# Altium PCB Power_Card_Lahiru.PcbDoc (part 1 of 2) (continued)
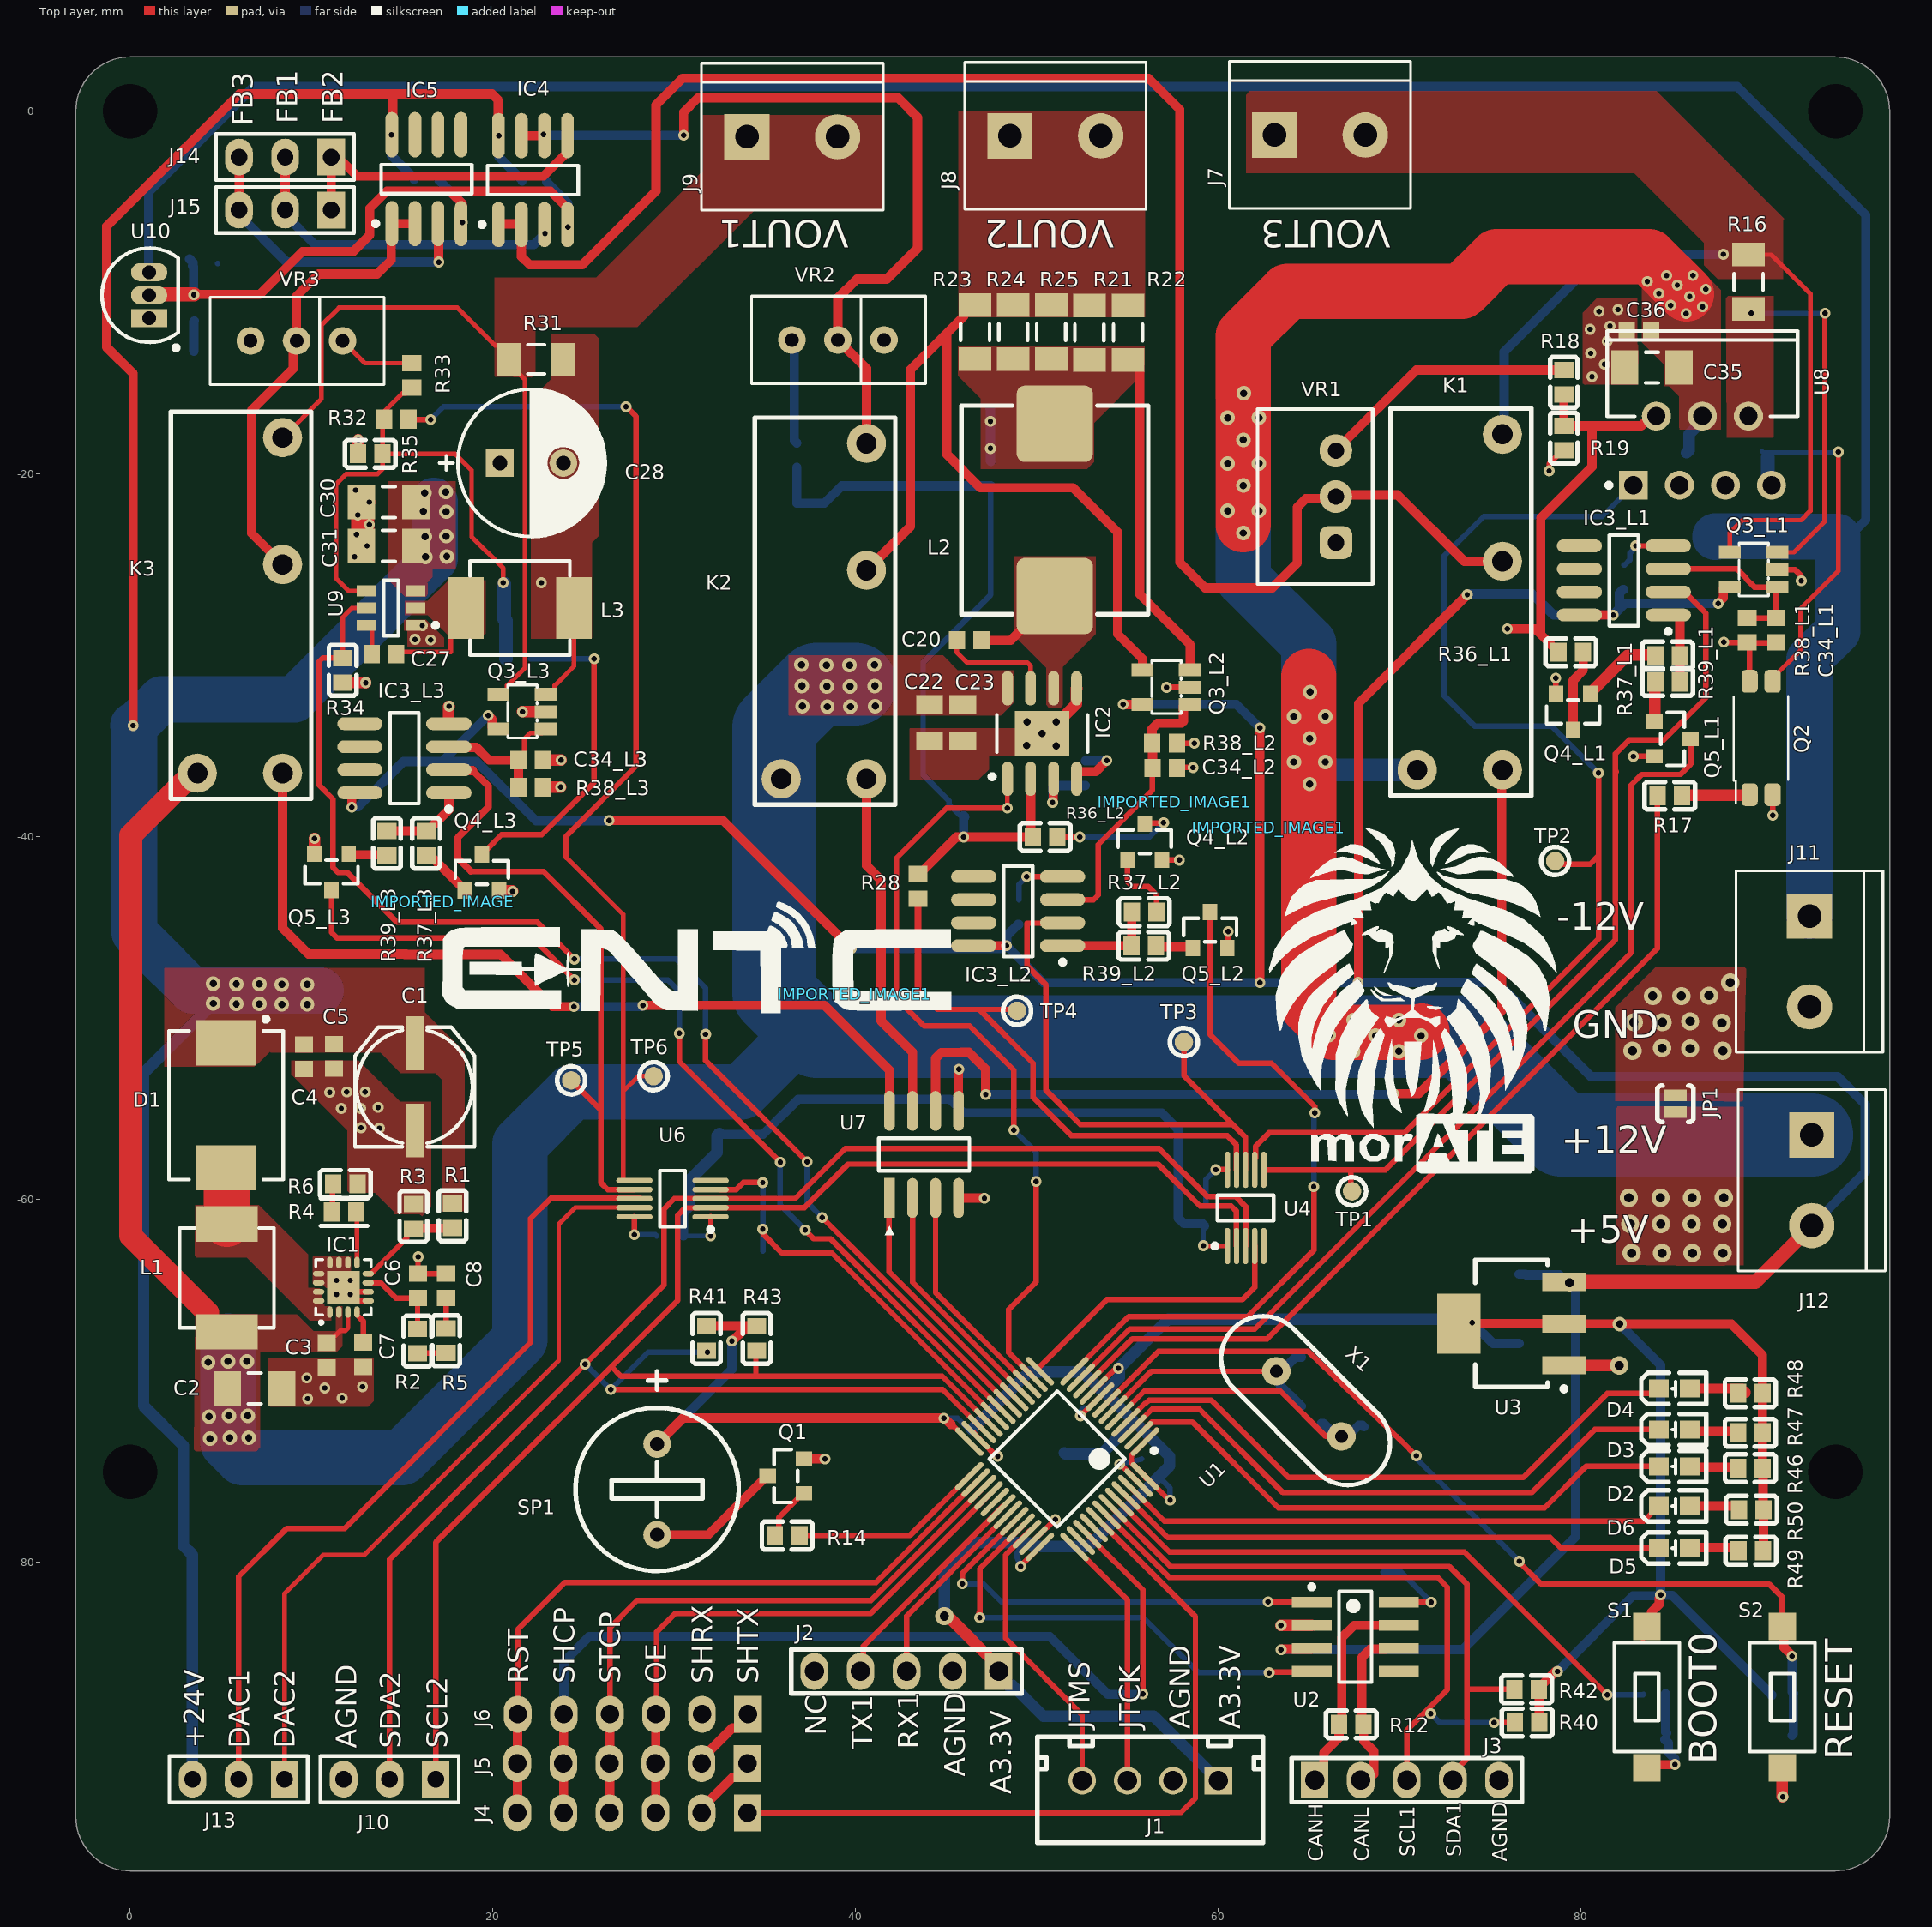
[diagram p0: Top Layer view]
## Components (designator, comment, footprint, x,y, rotation, side; value= is the part's Value field where it differs from the comment) (continued)
R32 "16.2k" PCB-3elf45qdqizoabmczrxc-1 14.681,-16.967 r0 top
R33 "118k" PCB-3elf45qdqizoabmczrxc-1 15.519,-14.554 r270 top
R34 "10k" gen0603-2 11.709,-30.81 r270 top
R35 "4.7k" gen0603-2 13.233,-18.872 r0 top
R36_L1 "100" gen0603-2 79.426,-29.82 r180 top (schematic designator R36)
R36_L2 "100" gen0603-2 50.444,-40.005 r180 top (schematic designator R36)
R36_L3 "100" gen0603-2 21.387,-30.175 r180 bottom (schematic designator R36)
R37_L1 "10k" gen0603-2 84.76,-30.005 r0 top (schematic designator R37)
R37_L2 "10k" gen0603-2 55.905,-44.145 r180 top (schematic designator R37)
R37_L3 "10k" gen0603-2 16.312,-40.349 r90 top (schematic designator R37)
R38_L1 "100k" PCB-3elf45qdqizoabmczrxc-1 89.151,-28.6 r90 top (schematic designator R38)
R38_L2 "100k" PCB-3elf45qdqizoabmczrxc-1 57.023,-34.83 r180 top (schematic designator R38)
R38_L3 "100k" PCB-3elf45qdqizoabmczrxc-1 22.073,-37.255 r180 top (schematic designator R38)
R39_L1 "10k" gen0603-2 84.76,-31.453 r0 top (schematic designator R39)
R39_L2 "10k" gen0603-2 55.88,-45.999 r180 top (schematic designator R39)
R39_L3 "10k" gen0603-2 14.153,-40.349 r90 top (schematic designator R39)
R40 "4.7k" gen0603-2 77.013,-88.824 r0 top
R41 "4.7k" gen0603-2 31.775,-67.64 r90 top
R42 "4.7k" gen0603-2 76.987,-86.995 r0 top
R43 "4.7k" gen0603-2 34.544,-67.64 r90 top
R44 "100" gen0603-2 3.505,-10.82 r270 bottom
R45 "100" gen0603-2 3.505,-13.894 r270 bottom
R46 "10k" gen0603-2 89.317,-74.803 r0 top
R47 "10k" gen0603-2 89.317,-72.85 r0 top
R48 "10k" gen0603-2 89.317,-70.667 r0 top
R49 "10k" gen0603-2 89.357,-79.35 r0 top
R50 "10k" gen0603-2 89.383,-77.089 r0 top
S1 "CMP-3c1bf499dccde3dc-3" PCB-884bonwl6v4pb9lbnr4u-1 83.617,-87.427 r90 top locked
S2 "CMP-3c1bf499dccde3dc-3" PCB-884bonwl6v4pb9lbnr4u-1 91.084,-87.427 r90 top locked
SP1 "Jiangsu Huaneng Elec HNB09A03" PCB-gql0f0yk39bxcwo1gexj-1 29.047,-75.971 r270 top
TP1 "Test Point" PCB-76sf9akqozhr8i1vmz2c-1 67.361,-59.538 r90 top
TP2 "Test Point" PCB-76sf9akqozhr8i1vmz2c-1 78.562,-41.326 r90 top
TP3 "Test Point" PCB-76sf9akqozhr8i1vmz2c-1 58.09,-51.308 r90 top
TP4 "Test Point" PCB-76sf9akqozhr8i1vmz2c-1 48.895,-49.581 r90 top
TP5 "Test Point" PCB-76sf9akqozhr8i1vmz2c-1 24.308,-53.416 r90 top
TP6 "Test Point" PCB-76sf9akqozhr8i1vmz2c-1 28.854,-53.188 r90 top
U1 "STM32F103C8T6TR" STM-LQFP48_M 51.105,-74.295 r225 top locked
U2 "MCP2551-I/SN" PCB-j27wim3vo61mdxz6aows-1 67.539,-84.099 r0 top
U3 "Diodes AZ1117CH-3.3TRG1" PCB-15095235-1 76.149,-66.827 r180 top
U4 "CON-DAC-MCP4728-10" PCB-psrfqusngns6snaz1e8o-1 61.493,-60.452 r90 top
U5 "LM4040B50FTA" PCB-bxhnyzncanvi69437o7v-1 29.87,-58.2 r90 bottom
U6 "CON-DAC-MCP4728-10" PCB-psrfqusngns6snaz1e8o-1 29.896,-59.944 r180 top
U7 "Mixic ULN2001D" PCB-pxs93rufbf6wijgtyo7d-1 43.764,-57.506 r90 top
U8 "OPA548T" TI-KVT7 86.682,-18.701 r90 top locked
U9 "TPS54202DDCR" PCB-3e3nvufahczdahdcyxrk-1 14.376,-27.381 r180 top
U10 "LM337L" Z03A 1.041,-10.135 r0 top
VR1 "500" PCB-8uuv2uwn1geg2g5qqyha-1 66.472,-21.234 r90 top
VR2 "2k" PCB-5abvnr99iwiiosfurk6j-1 41.554,-12.598 r180 top
VR3 "2k" PCB-5abvnr99iwiiosfurk6j-1 11.709,-12.649 r180 top
X1 "8MHz" XTAL1 63.195,-69.461 r315 top

## Footprints (in the part's own frame and the unit in brackets; to place one, negate y for a bottom-side part, rotate by r counter-clockwise, add the part's x,y. Pads: shape width x height; smd on the part's side, far side on the other; paste and mask are expansions set on the pad)
C0805 [mil]
  rect 40x58 smd: 1(-40,0) 2(40,0)
  body extent -41,-27 41,27, height 53
CAPC1608X09N [mm]
  rect 0.9x1 smd: 1(-0.675,0) 2(0.675,0)
  body extent -0.8,-0.4 0.8,0.4, height 0.45
CAPC3216X127X50ML20T25 [mm]
  rect 1.5x1.9 smd: 1(-1.5,0) 2(1.5,0)
  silkscreen extent -0.35,-0.85 0.35,0.85, body extent -1.7,-0.9 1.7,0.9, height 1.27
gen0603-2 [mm]
  rect 0.9x1.05 smd: 1(-0.675,0) 2(0.675,0)
  silkscreen extent -1.4,-0.76 1.4,0.76, body extent -0.85,-0.4 0.85,0.4, height 0.59
IMPORTED_IMAGE [mm]
  silkscreen extent 0,-6.12 28.04,0
PCB-3e3nvufahczdahdcyxrk-1 [mm]
  rect 1.1x0.6 smd mask+0.07: 1(-1.35,0.95) 2(-1.35,0) 3(-1.35,-0.95) 4(1.35,-0.95) 5(1.35,0) 6(1.35,0.95)
  silkscreen extent -2.58,-1.53 0.4,1.53, body extent -1.4,-1.45 1.4,1.45, height 1.45
PCB-3ELF45QDQIZOABMCZRXC-1 [mm]
  rect 0.9x1.05 smd: 1(-0.675,0) 2(0.675,0)
  silkscreen extent -1.27,-0.76 1.27,0.76, body extent -0.85,-0.4 0.85,0.4, height 0.59
PCB-3elf45qdqizoabmczrxc-1 [mm]
  rect 0.9x1.05 smd: 1(-0.675,0) 2(0.675,0)
  body extent -0.85,-0.4 0.85,0.4, height 0.59
PCB-5abvnr99iwiiosfurk6j-1 [mil]
  round 60 hole 29.53: 1(0,0) 2(100,0) 3(200,0)
  silkscreen extent -90,-95 287,95, body extent -87,-95 287,95, height 436
PCB-8uuv2uwn1geg2g5qqyha-1 [mm]
  rrect50% 1.8x1.8 hole 0.9: 1(-2.54,0)
  round 1.8 hole 0.9: 2(0,0) 3(2.54,0)
  silkscreen extent -4.83,-2.03 4.83,4.32, body extent -4.76,-1.9 4.76,4.19, height 11.56
PCB-76sf9akqozhr8i1vmz2c-1 [mil]
  round 40 smd: 1(0,0)
  silkscreen extent -30,-31 30,30
PCB-884bonwl6v4pb9lbnr4u-1 [mm]
  rect 1.5x1.5 smd: 1(-3.9,0) 2(3.9,0)
  silkscreen extent -3,-1.8 3,1.8, body extent -4,-1.75 4,1.75, height 4.29
PCB-15095235-1 [mm]
  rect 2.4x1 smd: 1(-2.9,2.3) 2(-2.9,0) 3(-2.9,-2.3)
  rect 2.4x3.3 smd: 4(2.9,0)
  silkscreen extent -3.03,-3.5 2,3.72, body extent -1.86,-3.35 1.86,3.35, height 1.8
PCB-aqghgth2fl3irtnr7nhi-1 [mm]
  rect 1.95x3.4 smd: 1(-2.975,0) 2(2.975,0)
  silkscreen extent -2.75,-2.6 2.75,2.6, body extent -2.74,-2.59 2.75,2.59, height 2
PCB-bxhnyzncanvi69437o7v-1 [mm]
  rect 1.3x0.6 smd: 1(1.05,0) 2(-1.05,-0.95) 3(-1.05,0.95)
  silkscreen extent -1.17,-1.5 0.7,1.93, body extent -0.7,-1.52 0.7,1.52, height 1.12
PCB-duyb6heo4lj5grkfxin6-1 [mm]
  oval 1.9x0.6 smd: 1(-2.495,1.905) 2(-2.495,0.635) 3(-2.495,-0.635) 4(-2.495,-1.905) 5(2.495,-1.905) 6(2.495,-0.635) 7(2.495,0.635) 8(2.495,1.905)
  rect 2.49x3 smd: 9(0,0)
  silkscreen extent -2.5,-2.5 1.03,2.88, body extent -2,-2.5 2,2.5, height 1.7
PCB-ei6nokn2irsc2a7yt94x-1 [mil]
  round 85 hole 44: 1(-364.17,-92.52) 2(88.58,-92.52) 3(364.17,-92.52) 4(-364.17,92.52)
  silkscreen extent -420,-155 420,150, body extent -409,-143 399,140, height 602
PCB-gql0f0yk39bxcwo1gexj-1 [mil]
  round 60 hole 30: 1(-98.43,0) 2(98.43,0)
  silkscreen extent -256,-177 177,177, body extent -177,-177 177,177, height 315
PCB-grsryisdn8451x3s484y-1 [mm]
  rrect20% 4.2x4.2 smd: 1(-4.75,0) 2(4.75,0)
  silkscreen extent -5.75,-5.15 5.75,5.15, body extent -5.85,-5 5.85,5, height 4.1
PCB-h3r3bzz71pyabhalkrge-1 [mil]
  rect 28x48 smd: 1(-37.4,-51.19) 2(0,-51.19) 3(38,-51.19) 4(38,52) 5(-37.4,52)
  silkscreen extent -57,-32 58,32, body extent -57,-55 57,55, height 57
PCB-j27wim3vo61mdxz6aows-1 [mm]
  rect 2.2x0.6 smd: 1(-2.4,1.905) 2(-2.4,0.635) 3(-2.4,-0.635) 4(-2.4,-1.905) 5(2.4,-1.905) 6(2.4,-0.635) 7(2.4,0.635) 8(2.4,1.905)
  silkscreen extent -2.52,-2.5 0.9,2.88, body extent -3.17,-2.5 3.17,2.5, height 1.88
PCB-jngp9cavmssoy37xiwaz-1 [mil]
  rect 117x40 smd: 1(94.74,0) 2(-94.74,0)
  silkscreen extent -130,-130 130,130, body extent -154,-130 154,130, height 315
PCB-kiok1jlp9o9fcwf1wwvf-1 [mm]
  round 2.5 hole 1.3: 1(-2.5,0)
  rect 2.5x2.5 hole 1.3: 2(2.5,0)
  silkscreen extent -5,-4.05 5,4.05, body extent -5.57,-4.08 5,4.07, height 10
PCB-oudem42uhcimrbfznktg-1 [mil]
  rect 60x80 hole 40: 1(-200,0)
  oval 60x80 hole 40: 2(-100,0) 3(0,0) 4(100,0) 5(200,0) 6(300,0)
  body extent -250,-52 350,48, height 374
PCB-psrfqusngns6snaz1e8o-1 [mm]
  oval 2x0.3 smd: 1(-2.1,1) 2(-2.1,0.5) 3(-2.1,0) 4(-2.1,-0.5) 5(-2.1,-1) 6(2.1,-1) 7(2.1,-0.5) 8(2.1,0) 9(2.1,0.5) 10(2.1,1)
  silkscreen extent -2.22,-1.55 0.7,1.82, body extent -2.45,-1.5 2.45,1.5, height 1
PCB-pxs93rufbf6wijgtyo7d-1 [mm]
  rect 2.2x0.6 smd: 1(-2.4,1.905)
  oval 2.2x0.6 smd: 2(-2.4,0.635) 3(-2.4,-0.635) 4(-2.4,-1.905) 5(2.4,-1.905) 6(2.4,-0.635) 7(2.4,0.635) 8(2.4,1.905)
  silkscreen extent -4.44,-2.5 0.9,2.5, body extent -3,-2.45 3,2.45, height 1.75
PCB-qvt8zv9h5ffid452gs9x-1 [mil]
  rect 60x60 hole 31.5: 1(-68.9,-0.01)
  round 60 hole 31.5: 2(68.89,-0.01)
  silkscreen extent -200,-160 160,160, body extent -157,-157 158,157, height 493
PCB-rnlen50cc5tt6vc22c1r-1 [mil]
  rect 60x80 hole 42: 1(-200,-2)
  oval 60x80 hole 42: 2(-100,-2) 3(0,-2) 4(100,-2) 5(200,-2)
  silkscreen extent -250,-50 250,46, body extent -250,-50 250,46, height 408
PCB-sjva3kmaxrqfkswkvsp7-1 [mm]
  rect 0.635x1.27 smd: 1(-0.457,0) 2(0.457,0)
  silkscreen extent -1,-1 1,1
PCB-tryrgihdrozpg2dv6q87-1 [mm]
  rrect50% 1.25x0.9 smd: A(-3.125,0.635) C(3.125,0.635) E(3.125,-0.635) K(-3.125,-0.635)
  silkscreen extent -3.6,-1.5 2.3,1.5, body extent -3.5,-1.42 3.5,1.43, height 2.1
PCB-z52whxwf67d3eu6gna8s-1 [mil]
  round 60 hole 42: 1(147.64,0) 2(49.21,0) 3(-49.21,0)
  rect 60x60 hole 42: 4(-147.64,0)
  silkscreen extent -245,-95 245,135, body extent -244,-93 244,133, height 276
PCB-z3532lqu4iri8rzc55ux-1 [mm]
  rect 2.5x3.3 smd: 1(3.45,-0.127) 2(-3.45,-0.127)
  silkscreen extent -4.87,-3.28 4.1,3.02, body extent -4.06,-3.24 4.07,2.98, height 2.45
"PCBComponent_1 - duplicate" [mil]
  rect 43x39 smd: 1(67,0) 2(0,0)
  silkscreen extent -38,-34 103,34, body extent 6,-16 68,16, height 43
"PIN_3x1_STR (2.54mm)" [mil]
  rect 60x80 hole 36: 1(0,0)
  oval 60x80 hole 36: 2(100,0) 3(200,0)
  silkscreen extent -50,-50 250,50, body extent -50,-50 250,50, height 374
RESC3116X07M [mm]
  rect 1.3x1.8 smd: 1(-1.5,0) 2(1.5,0)
  silkscreen extent -0.45,-0.8 0.45,0.8, body extent -1.55,-0.8 1.55,0.8, height 0.52
SOIC-OA8_M [mm]
  oval 2.5x0.7 smd: 1(-2.45,1.905) 2(-2.45,0.635) 3(-2.45,-0.635) 4(-2.45,-1.905) 5(2.45,-1.905) 6(2.45,-0.635) 7(2.45,0.635) 8(2.45,1.905)
  silkscreen extent -2.58,-2.5 0.8,2.93, body extent -3,-2.45 3,2.45, height 1.75
SOT-23 [mm]
  rect 0.9x0.8 smd: 1(-1,0.95) 2(-1,-0.95) 3(1,0)
  silkscreen extent -0.65,-1.46 0.65,1.46, body extent -1.19,-1.47 1.19,1.48, height 1.07
STM-LQFP48_M [mm]
  oval 2.1x0.3 smd: 1(-4.1,2.75) 2(-4.1,2.25) 3(-4.1,1.75) 4(-4.1,1.25) 5(-4.1,0.75) 6(-4.1,0.25) 7(-4.1,-0.25) 8(-4.1,-0.75) 9(-4.1,-1.25) 10(-4.1,-1.75) 11(-4.1,-2.25) 12(-4.1,-2.75) 25(4.1,-2.75) 26(4.1,-2.25) 27(4.1,-1.75) 28(4.1,-1.25) 29(4.1,-0.75) 30(4.1,-0.25) 31(4.1,0.25) 32(4.1,0.75) 33(4.1,1.25) 34(4.1,1.75) 35(4.1,2.25) 36(4.1,2.75)
  oval 0.3x2.1 smd: 13(-2.75,-4.1) 14(-2.25,-4.1) 15(-1.75,-4.1) 16(-1.25,-4.1) 17(-0.75,-4.1) 18(-0.25,-4.1) 19(0.25,-4.1) 20(0.75,-4.1) 21(1.25,-4.1) 22(1.75,-4.1) 23(2.25,-4.1) 24(2.75,-4.1) 37(2.75,4.1) 38(2.25,4.1) 39(1.75,4.1) 40(1.25,4.1) 41(0.75,4.1) 42(0.25,4.1) 43(-0.25,4.1) 44(-0.75,4.1) 45(-1.25,4.1) 46(-1.75,4.1) 47(-2.25,4.1) 48(-2.75,4.1)
  silkscreen extent -4.22,-2.65 2.65,3.57, body extent -3.5,-3.5 3.5,3.5, height 1.6
TI-KVT7 [mm]
  rect 1.6x1.6 hole 1: 1(-1.905,3.81)
  round 1.6 hole 1: 2(1.905,2.54) 3(-1.905,1.27) 4(1.905,0) 5(-1.905,-1.27) 6(1.905,-2.54) 7(-1.905,-3.81)
  silkscreen extent -2.03,-5.25 6.6,5.28, body extent -2.15,-5.23 6.6,5.23, height 21.43
"VfQFPN 3x3x1.0 16L" [mm]
  oval 0.63x0.3 smd: 1(-1.365,0.75) 2(-1.365,0.25) 3(-1.365,-0.25) 4(-1.365,-0.75) 9(1.365,-0.75) 10(1.365,-0.25) 11(1.365,0.25) 12(1.365,0.75)
  oval 0.3x0.63 smd: 5(-0.75,-1.365) 6(-0.25,-1.365) 7(0.25,-1.365) 8(0.75,-1.365) 13(0.75,1.365) 14(0.25,1.365) 15(-0.25,1.365) 16(-0.75,1.365)
  round 0.6 hole 0.3: 17(-0.381,0.381) 17(-0.381,-0.381) 17(0.381,0.381) 17(0.381,-0.381)
  rect 1.778x1.778 smd: 17(0,0)
  silkscreen extent -1.99,-1.52 1.52,1.52, body extent -1.55,-1.52 1.49,1.52, height 0.9
XTAL1 [mil]
  round 62 hole 28: 1(-0.36,-0.2) 2(199.64,-0.2)
  silkscreen extent -132,-92 311,91, body extent -132,-92 311,91, height 145
Z03A [mm]
  rect 2x1 hole 0.75: 1(0,-1.27)
  oval 2x1 hole 0.75: 2(0,0) 3(0,1.27)
  silkscreen extent -2.6,-3.02 1.61,2.6, body extent -2.6,-2.61 1.6,2.61, height 5.2

## Part data
C1: library part CMP-ceae0666f79b1169-1, "Polymer capacitor [Panasonic Automotive & Industrial Systems] 35SVPF22M Polymer capacitor", Manufacture Part Number=OCV220M1VTR-0606, Manufacturer=Lelon, Supplier Part Number=C473426, Voltage Rated=35V, Capacitance=22uF, Size-Diameter="6.30 mm", Supplier=LCSC
C2 C30 C31 C33_L1 C33_L2 C33_L3 C35 C39: library part CMP-126371-4, "CAP CER 0.1UF 100V 10% X7R 1206", Capacitance Tolerance=10%, Manufacture Part Number=CL31B106KBHNNNE, Manufacturer="Samsung Electro-Mechanics", Package / Case=1206, Supplier Part Number=C89632, Voltage-Rated=50V, Capacitance=10uF, Supplier=LCSC
C3 C10 C11 C12 C13 C16 C17 C20 C27 C32_L1 C32_L2 C32_L3 C36 C38 C42 C43 C44 C45: library part CMP-2f55e5122ad9f092-5, "0603 10 nF 50 V ± 10% Tolerance X7R Surface Mount Multilayer Ceramic Capacitor", Capacitance Tolerance=10%, Manufacture Part Number=CC0603KRX7R9BB104, Manufacturer=YAGEO, Package / Case=0603, Supplier Part Number=C14663, Voltage-Rated=50V, Capacitance=100nF, Supplier=LCSC
C4 C5 C40: library part CMP-2f55e5122ad9f092-5, "0603 10 nF 50 V ± 10% Tolerance X7R Surface Mount Multilayer Ceramic Capacitor", Capacitance Tolerance=10%, Manufacture Part Number=CL21B105KBFNNNE, Manufacturer="Samsung Electro-Mechanics", Package / Case=0603, Supplier Part Number=C28323, Voltage-Rated=50V, Capacitance=1uF, Supplier=LCSC
C6: library part CMP-2f55e5122ad9f092-5, "0603 10 nF 50 V ± 10% Tolerance X7R Surface Mount Multilayer Ceramic Capacitor", Capacitance Tolerance=10%, Manufacture Part Number=0603B152K500CT, Manufacturer="Walsin Tech Corp", Package / Case=0603, Supplier Part Number=C302015, Voltage-Rated=50V, Capacitance=1.5nF, Supplier=LCSC
C7: library part CMP-2f55e5122ad9f092-5_11, "0603 10 nF 50 V ± 10% Tolerance X7R Surface Mount Multilayer Ceramic Capacitor", Capacitance Tolerance=10%, Manufacture Part Number=CL10B223KB8NNNC, Manufacturer="Samsung Electro-Mechanics", Package / Case=0603, Supplier Part Number=C21122, Voltage-Rated=50V, Capacitance=22nF, Supplier=LCSC
C8: library part CMP-2f55e5122ad9f092-5, "0603 10 nF 50 V ± 10% Tolerance X7R Surface Mount Multilayer Ceramic Capacitor", Capacitance Tolerance=20%, Manufacture Part Number=0603F473M500CT, Manufacturer="Walsin Tech Corp", Package / Case=0603, Supplier Part Number=C387994, Voltage-Rated=50V, Capacitance=47nF, Supplier=LCSC
C9 C41: library part CMP-2f55e5122ad9f092-5, "0603 10 nF 50 V ± 10% Tolerance X7R Surface Mount Multilayer Ceramic Capacitor", Capacitance Tolerance=10%, Manufacture Part Number=CL10A475KP8NNNC, Manufacturer="Samsung Electro-Mechanics", Package / Case=0603, Supplier Part Number=C1705, Voltage-Rated=10V, Capacitance=4.7uF, Supplier=LCSC
C14 C15: library part CMP-2f55e5122ad9f092-5, "0603 10 nF 50 V ± 10% Tolerance X7R Surface Mount Multilayer Ceramic Capacitor", Capacitance Tolerance=5%, Manufacture Part Number=CC0603JRNPO9BN200, Manufacturer=YAGEO, Package / Case=0603, Supplier Part Number=C105621, Voltage-Rated=50V, Capacitance=20pF, Supplier=LCSC
C18 C24 C25: library part CMP-2f55e5122ad9f092-5, "0603 10 nF 50 V ± 10% Tolerance X7R Surface Mount Multilayer Ceramic Capacitor", Capacitance Tolerance=20%, Manufacture Part Number=CL10A226MP8NUNE, Manufacturer="Samsung Electro-Mechanics", Package / Case=0603, Supplier Part Number=C86295, Voltage-Rated=10V, Capacitance=22uF, Supplier=LCSC
C19 C22 C23: library part CMP-135114-3, "Cap Ceramic 0.1uF 50V X7R 10% SMD 0805 125C Embossed T/R", Manufacture Part Number=CL21B106KOQNNNE, Manufacturer="Samsung Electro-Mechanics", Package / Case=0805, Supplier Part Number=C95841, Voltage-Rated=16V, Capacitance=10uF, Supplier=LCSC
C21: library part CMP-2f55e5122ad9f092-5, "0603 10 nF 50 V ± 10% Tolerance X7R Surface Mount Multilayer Ceramic Capacitor", Capacitance Tolerance=0.25%, Manufacture Part Number=CL10C050CB8NNNC, Manufacturer="Samsung Electro-Mechanics", Package / Case=0603, Supplier Part Number=C93045, Voltage-Rated=50V, Capacitance=5pF, Supplier=LCSC
C26: library part CMP-2f55e5122ad9f092-5, "0603 10 nF 50 V ± 10% Tolerance X7R Surface Mount Multilayer Ceramic Capacitor", Capacitance Tolerance=10%, Manufacture Part Number=CL10F474ZO8NNNC, Manufacturer="Samsung Electro-Mechanics", Package / Case=0603, Supplier Part Number=C318652, Voltage-Rated=16V, Capacitance=470nF, Supplier=LCSC
C28: library part CMP-37c1fb270af2e806-1, "Footprint for Rubycon 50YXF100MFFC8X11.5", Capacitance Tolerance=20%, Manufacture Part Number=50YXF100MFFC8X11.5, Manufacturer=Rubycon, Supplier Part Number=C324036, Voltage Rated=50V, Capacitance=100uF, Supplier=LCSC
C29: library part CMP-135114-3, "Cap Ceramic 0.1uF 50V X7R 10% SMD 0805 125C Embossed T/R", Capacitance Tolerance=5%, Manufacture Part Number=CC0805JRNPO9BN151, Manufacturer=YAGEO, Package / Case=0805, Supplier Part Number=C107111, Voltage-Rated=50V, Capacitance=150pF, Supplier=LCSC
C34_L1 C34_L2 C34_L3: library part CMP-2f55e5122ad9f092-5, "0603 10 nF 50 V ± 10% Tolerance X7R Surface Mount Multilayer Ceramic Capacitor", Capacitance Tolerance=5%, Manufacture Part Number=0603N101J500CT, Manufacturer="Walsin Tech Corp", Package / Case=0603, Supplier Part Number=C335544, Voltage-Rated=50V, Capacitance=100pF, Supplier=LCSC
C37: library part CMP-2f55e5122ad9f092-5, "0603 10 nF 50 V ± 10% Tolerance X7R Surface Mount Multilayer Ceramic Capacitor", Capacitance Tolerance=10%, Manufacture Part Number=CL10B103KC8NNNC, Manufacturer="Samsung Electro-Mechanics", Package / Case=0603, Supplier Part Number=C84709, Voltage-Rated=100V, Capacitance=10nF, Supplier=LCSC
D1: library part CMP-d6251f2b0bb209e2-2, "Diode, Schottky, 5a, 40v, Do-214ab-2, Full Reel", Capacitance="300 pF", Current Rating="5.00 A", Manufacture Part Number=B540C-13-F, Manufacturer="Diodes Incorporated", Output Current="5.00 A (max)", Supplier Part Number=C72264, Voltage Rating (DC)="40.0 V", Lead-Free Status="Lead Free", Mounting Style="Surface Mount", Number of Pins=2, OctopartID=d6251f2b0bb209e2, Octopart URL=http://octopart.com/b540c-13-f-diodes+inc.-325873, Polarity=Standard, REACH SVHC Compliance="No SVHC", Supplier=LCSC
D2 D3 D4 D5 D6: "Generic LED 0603", Forward Voltage=2.8V, Manufacture Part Number=ORH-G36G, Manufacturer=Orient, Supplier Part Number=C205443, Color=Green, Supplier=LCSC
IC1: "Integrated, 5-A 40-V Wide Input Range Boost/SEPIC/Flyback DC-DC Regulator 16-WQFN -40 to 150", Manufacturer="Texas Instruments", Supplier Part Number=C169167, Manufacture Part Number=TPS55340RTER, Supplier=LCSC
IC2: library part CMP-073acf9bf38cd8fd-4, "4.5V to 18V Input, 5-A Synchronous Step-Down Converter with Advanced Eco-mode™ 8-SO PowerPAD -40 to 125", Manufacturer="Texas Instruments", Supplier Part Number=C138716, Manufacture Part Number=TPS56528DDAR, Number of Regulated Outputs=1, RoHS=Compliant, Supplier=LCSC, Topology=Buck
IC3_L1 IC3_L2 IC3_L3 IC4 IC5: library part CMP-9a3c516d515145fb-3, "LM358 Series 30 V 1.1 MHz Low Power Dual Operational Amplifier - SOIC-8", Case/Package=SOIC, Manufacturer=STMicroelectronics, Supplier Part Number=C9418, Supply Current="700 µA", Supply Voltage (DC)="32.0 V", Bandwidth="1.10 MHz", Gain Bandwidth Product="1.10 MHz", Lead-Free Status="Lead Free", Lifecycle Status=Active, Manufacture Part Number=LM358DT, Mounting Style="Surface Mount", Number of Channels=2, Number of Circuits=2, Number of Pins=8, OctopartID=9a3c516d515145fb, Octopart URL=https://octopart.com/lm358dt-stmicroelectronics-39579147, Packaging="Cut Tape (CT), Tape & Reel (TR)", REACH SVHC Compliance="No SVHC", RoHS=Compliant, Slew Rate="600 mV/µs", Supplier=LCSC
J1: "XH Series 4 Position 2.5 mm Pitch Through Hole Crimp Top Entry Shrouded Header", Contact Resistance="10.0 mO", Current Rating="3.00 A", Insulation Resistance="1.00 GO", Manufacture Part Number="B4B-XH-A (LF)(SN)", Manufacturer="JST Sales America", Supplier Part Number=C144395, Voltage Rating (AC)="250 V", Company=JST, Contact Material=Brass, Contact Plating=Tin, Gender=Male, Lead-Free Status="Lead Free", Mounting Style="Through Hole, Vertical", Number of Contacts=4, OctopartID=a6466f3bff057981, Octopart URL=http://octopart.com/b4b-xh-a+%28lf%29%28sn%29-jst-7830565, REACH SVHC Compliance="No SVHC", RoHS=Compliant, Supplier=LCSC
J2 J3: library part CMP-b5d67e8662e76a11-19, "MTA-100 5 Position Through-Hole Single Row Straight Wire to Board Header", Flammability Rating="UL 94 V-0", Housing Color=Natural, Voltage Rating (AC)="250 V", Contact Material="Copper Alloy", Contact Plating=Tin, ELV Compliant=Compliant, Gender=Male, Housing Material=Polyester, Lead-Free Status="Lead Free", Lifecycle Status=Active, Mounting Angle="180 °", Mounting Style="Through Hole", Number of Contacts=5, Number of Positions=5, Number of Rows=1, OctopartID=b5d67e8662e76a11, Octopart URL=http://octopart.com/3-644456-5-te+connectivity+%2F+amp-39514711, Orientation=Vertical, Packaging="Box, Bag", Pin pitch="2.54 mm", RoHS=Compliant, Shrouded=No, Size-Height="2.54 mm", Size-Length="12.4 mm", Size-Width="2.34 mm"
J4 J5 J6: "MTA-100 Series 6 Position 2.54 mm Pitch Single Row Tin Plated Header", Size-Height="2.54 mm"
J7 J8 J9 J11 J12: library part CMP-7ad9b3d37ed8a51e-5, "Block, Terminal; 13.5 A; 250 V; 5 mm; 26 to 16 AWG; 2; Screw; Solder; 4 kV; PA", Manufacturer=DIBO, Supplier Part Number=C395849, Manufacture Part Number=DB126V-5.0-2P-GN, Pin pitch=5.0mm, Supplier=LCSC
J10 J13 J14 J15: library part CMP-1d18d4412a33c2df-10, "HARWIN M20 Series, 2.54mm Pitch 3 Way 1 Row Straight PCB Header, Solder Termination, 3A"
JP1: library part CMP-75tq5o8j4p0avfd6ylbk-1, "JP", CustomComponentID=75tq5o8j4p0avfd6ylbk
K1 K2 K3: library part CMP-edc624afa9603201-3, "Power Relay 12VDC 3DC/5AAC SPST-NO( (20.5mm 7.2mm 15.3mm)) THT", Current-Rated=3A, Manufacture Part Number=G5NB-1A-E-DC12, Manufacturer="Omron Electronics", Supplier Part Number=C225714, Supplier=LCSC
L1 L3: library part CMP-8deb4183ed4a522c-1, "Inductor Power Shielded Wirewound 10uH 20% 100KHz Metal 4.2A 86.35mOhm DCR Automotive T/R", Manufacture Part Number=SPM6530T-100M-HZ, Manufacturer=TDK, Supplier Part Number=C360728, OctopartID=8deb4183ed4a522c, Octopart URL=https://octopart.com/spm6530t-100m-hz-tdk-90326471, Supplier=LCSC
L2: library part CMP-nvsrvemexzuzshl0ucuq-1, "3.3uH ±20% 10A 11.8m? Power Inductors", Manufacture Part Number=SMMS1040-3R3M, Manufacturer=SXN, Rated Current=10A, Supplier Part Number=C149592, Inductance=3.3uH, Supplier=LCSC
Q1 Q4_L1 Q4_L2 Q4_L3 Q5_L1 Q5_L2 Q5_L3: library part CMP-857799-8, "MMBT Series 40 V 200 mA SMT NPN Silicon General Purpose Transistor - SOT-23", Manufacturer="ON Semiconductor", Supplier Part Number=C81464, Manufacture Part Number=MMBT3904LT1G, Supplier=LCSC
Q2: library part CMP-20cdecc1b9d8ff0a-1, "Optocoupler DC-IN 1-CH Transistor DC-OUT 4-Pin PDIP SMD Black Box", Manufacture Part Number=TLP785(GB-TP6,F(C, Manufacturer=TOSHIBA, Supplier Part Number=C45445, Supplier=LCSC
Q3_L1 Q3_L2 Q3_L3: library part CMP-0019c915bbf2dfde-3, "36-V, High-Side, Current Output Current Shunt Monitor 5-SOT-23 -40 to 125", Case/Package=SOT-23, Manufacture Part Number=INA138NA/3K, Manufacturer="Texas Instruments", Supplier Part Number=C47914, Supplier=LCSC
R1: library part CMP-1853278-27, "Surface Mount Thick Film Resistor, RC Series, 1 kohm, 100 mW, - 1%, 50 V, 0603 [1608 Metric]", Manufacture Part Number=0603WAF1873T5E, Manufacturer="UNI-ROYAL(Uniroyal Elec)", Package / Case=0603, Resistance Tolerance=1%, Supplier Part Number=C22896, Resistance=187k, Supplier=LCSC
R2 R5: library part CMP-1853278-27, "Surface Mount Thick Film Resistor, RC Series, 1 kohm, 100 mW, - 1%, 50 V, 0603 [1608 Metric]", Manufacture Part Number=RC0603FR-071KL, Manufacturer=YAGEO, Package / Case=0603, Resistance Tolerance=1%, Supplier Part Number=C22548, Resistance=1k, Supplier=LCSC
R3 R6 R13 R19 R20 R27 R29 R34 R37_L1 R37_L2 R37_L3 R39_L1 R39_L2 R39_L3 R46 R47 R48 R49 R50: library part CMP-1853278-27, "Surface Mount Thick Film Resistor, RC Series, 1 kohm, 100 mW, - 1%, 50 V, 0603 [1608 Metric]", Manufacture Part Number=RC0603FR-0710KL, Manufacturer=YAGEO, Package / Case=0603, Resistance Tolerance=1%, Supplier Part Number=C98220, Resistance=10k, Supplier=LCSC
R4 R26: library part CMP-1853278-23, "Surface Mount Thick Film Resistor, RC Series, 1 kohm, 100 mW, - 1%, 50 V, 0603 [1608 Metric]", Manufacture Part Number="WR06X513 JTL", Manufacturer="Walsin Tech Group", Package / Case=0603, Resistance Tolerance=1%, Supplier Part Number=C384211, Resistance=51k, Supplier=LCSC
R7: library part CMP-1853278-23, "Surface Mount Thick Film Resistor, RC Series, 1 kohm, 100 mW, - 1%, 50 V, 0603 [1608 Metric]", Manufacture Part Number=0603WAF1004T5E, Manufacturer="UNI-ROYAL(Uniroyal Elec)", Package / Case=0603, Resistance Tolerance=1%, Supplier Part Number=C22935, Resistance=1M, Supplier=LCSC
R8 R9 R10 R11: library part CMP-1853278-23, "Surface Mount Thick Film Resistor, RC Series, 1 kohm, 100 mW, - 1%, 50 V, 0603 [1608 Metric]", Manufacture Part Number=0603WAF4702T5E, Manufacturer="UNI-ROYAL(Uniroyal Elec)", Package / Case=0603, Resistance Tolerance=1%, Supplier Part Number=C25819, Resistance=47k, Supplier=LCSC
R12 R36_L1 R36_L2 R36_L3 R44 R45: library part CMP-1853278-27, "Surface Mount Thick Film Resistor, RC Series, 1 kohm, 100 mW, - 1%, 50 V, 0603 [1608 Metric]", Manufacture Part Number=0603WAF1000T5E, Manufacturer="UNI-ROYAL(Uniroyal Elec)", Package / Case=0603, Resistance Tolerance=1%, Supplier Part Number=C22775, Resistance=100, Supplier=LCSC
R14 R15: library part CMP-1853278-27_16, "Surface Mount Thick Film Resistor, RC Series, 1 kohm, 100 mW, - 1%, 50 V, 0603 [1608 Metric]", Manufacture Part Number=RC0603FR-071KL, Manufacturer=YAGEO, Package / Case=0603, Resistance Tolerance=1%, Supplier Part Number=C22548, Resistance=1k, Supplier=LCSC
R16 R21 R22 R23 R24 R25 R31: library part CMP-90ca5a8d69034f0d-5, "Res Thick Film 3.2 x 1.6 mm 10K Ohm 1% 0.25W(1/4W) 100ppm/ C Molded SMD Paper T/R", Manufacture Part Number=1206W4F100LT5E, Manufacturer="UNI-ROYAL(Uniroyal Elec)", Package / Case=1206, Resistance Tolerance=1%, Supplier Part Number=C25334, Resistance=0.1, Supplier=LCSC
R17: library part CMP-1853278-27_13, "Surface Mount Thick Film Resistor, RC Series, 1 kohm, 100 mW, - 1%, 50 V, 0603 [1608 Metric]", Manufacture Part Number=RC0603FR-071KL, Manufacturer=YAGEO, Package / Case=0603, Resistance Tolerance=1%, Supplier Part Number=C22548, Resistance=1k, Supplier=LCSC
R18: library part CMP-1853278-27, "Surface Mount Thick Film Resistor, RC Series, 1 kohm, 100 mW, - 1%, 50 V, 0603 [1608 Metric]", Manufacture Part Number=0603WAF1432T5E, Manufacturer="UNI-ROYAL(Uniroyal Elec)", Package / Case=0603, Resistance Tolerance=1%, Supplier Part Number=C22799, Resistance=14.3k, Supplier=LCSC
R28: library part CMP-1853278-23, "Surface Mount Thick Film Resistor, RC Series, 1 kohm, 100 mW, - 1%, 50 V, 0603 [1608 Metric]", Manufacture Part Number=0603WAJ0243T5E, Manufacturer="UNI-ROYAL(Uniroyal Elec)", Package / Case=0603, Resistance Tolerance=1%, Supplier Part Number=C25588, Resistance=24k, Supplier=LCSC
R30: library part CMP-1853278-27, "Surface Mount Thick Film Resistor, RC Series, 1 kohm, 100 mW, - 1%, 50 V, 0603 [1608 Metric]", Manufacture Part Number=0603WAF1053T5E, Manufacturer=UNI-ROYAL, Package / Case=0603, Resistance Tolerance=1%, Supplier Part Number=C16840, Resistance=105k, Supplier=LCSC
R32: library part CMP-1853278-23, "Surface Mount Thick Film Resistor, RC Series, 1 kohm, 100 mW, - 1%, 50 V, 0603 [1608 Metric]", Manufacture Part Number=0603WAF1622T5E, Manufacturer="UNI-ROYAL(Uniroyal Elec)", Package / Case=0603, Resistance Tolerance=1%, Supplier Part Number=C22885, Resistance=16.2k, Supplier=LCSC
R33: library part CMP-1853278-23, "Surface Mount Thick Film Resistor, RC Series, 1 kohm, 100 mW, - 1%, 50 V, 0603 [1608 Metric]", Manufacture Part Number=0603WAF1183T5E, Manufacturer="UNI-ROYAL(Uniroyal Elec)", Package / Case=0603, Resistance Tolerance=1%, Supplier Part Number=C25806, Resistance=118k, Supplier=LCSC
R35 R40 R41 R42 R43: library part CMP-1853278-27, "Surface Mount Thick Film Resistor, RC Series, 1 kohm, 100 mW, - 1%, 50 V, 0603 [1608 Metric]", Manufacture Part Number=RC0603FR-074K7L, Manufacturer=YAGEO, Package / Case=0603, Resistance Tolerance=1%, Supplier Part Number=C99782, Resistance=4.7k, Supplier=LCSC
R38_L1 R38_L2 R38_L3: library part CMP-1853278-23, "Surface Mount Thick Film Resistor, RC Series, 1 kohm, 100 mW, - 1%, 50 V, 0603 [1608 Metric]", Manufacture Part Number=WR06X1003FTL, Manufacturer="Walsin Tech Corp", Package / Case=0603, Resistance Tolerance=1%, Supplier Part Number=C132374, Resistance=100k, Supplier=LCSC
S1 S2: "Switch Tactile N.O. SPST Rectangular Button Gull Wing 0.05A 12VDC 2.45N SMD", Manufacture Part Number=K2-1107ST-A4SW-06, Manufacturer="Korean Hroparts Elec", Supplier Part Number=C118141, Lead-Free Status="Lead Free", RoHS=Compliant, Supplier=LCSC
SP1: library part CMP-8r7wb9d4hsrx0vdasxxy-1, "Magnetic YES 3000±300Hz 90dB @ 3V, 10cm 3V ?9mm 9*5.5mm Buzzers RoHS", Manufacture Part Number=HNB09A03, Manufacturer="Jiangsu Huaneng Elec", Supplier Part Number=C96102, CustomComponentID=8r7wb9d4hsrx0vdasxxy, Supplier=LCSC
TP1 TP2 TP3 TP4 TP5 TP6: library part CMP-90rr9i2gqvuy4eydob4k-1, "TP", CustomComponentID=90rr9i2gqvuy4eydob4k
U1: library part CMP-2954476-4, "ARM Cortex-M3 32-bit MCU, 64 KB Flash, 20 KB Internal RAM, 37 I/Os, 48-pin LQFP, -40 to 85 degC, Tape and Reel", Manufacture Part Number=STM32F103C8T6, Manufacturer=STMicroelectronics, Supplier Part Number=C8734, Lead-Free Status="Lead Free", Lifecycle Status=Active, OctopartID=c3c10a7d8bb51c06, Octopart URL=https://octopart.com/stm32f103c8t6tr-stmicroelectronics-11955474, RoHS=Compliant, Supplier=LCSC
U2: "Microchip MCP2551-I/SN; CAN Transceiver1Mbit/s 1-channel ISO 11898; 8-Pin SOIC", Manufacturer="Microchip Tech", Supplier Part Number=C7376, Supply Current="75.0 mA", Supply Voltage (DC)="4.50 V (min), 5.50 V (max)", Data Rate="1.00 Mbps", Lead-Free Status="Lead Free", Manufacture Part Number=MCP2551-I/SN, Number of Pins=8, Octopart ID=0bb6c2bdad83d471, OctopartID=0bb6c2bdad83d471, Octopart URL=https://octopart.com/mcp2551-i%2Fsn-microchip-99155, Packaging=Tube, REACH SVHC Compliance="No SVHC", Slew Rate="8.50 V/µs", Supplier=LCSC
U3: library part CMP-15095235-4, "IC REG LDO 3.3V 0.8A SOT223", Manufacture Part Number=AZ1117CH-3.3TRG1, Manufacturer="Diodes Incorporated", Supplier Part Number=C92102, Lead-Free Status="Lead Free", Lifecycle Status="Not Listed by Manufacturer", OctopartID=a6d46e06d6807913, Octopart URL=https://octopart.com/az1117ch-3.3trg1-diodes+inc.-30954802, RoHS=Compliant, Supplier=LCSC
U4 U6: library part CMP-2294796-6, "MCP4728 Series 4 Ch I2C EEPROM Memory 5.5 V 12-Bit D/A Converter SMT - MSOP-10", Manufacture Part Number=MCP4728-E/UN, Manufacturer="Microchip Tech", Supplier Part Number=C108207, Supply Current="800 µA", Lifecycle Status=Active, Mounting Style="Surface Mount", Number of Bits=12, Number of Pins=10, OctopartID=b4d07d6e9fd36b17, Octopart URL=http://octopart.com/mcp4728-e%2Fun-microchip-11800165, REACH SVHC Compliance="No SVHC", RoHS=Compliant, Supplier=LCSC
U5: library part CMP-ed9925821aa6325e-1, "LM4040 Series 5 V ±0.2 % Precision Micropower Shunt Voltage Reference - SOT-23", Manufacturer="Diodes Incorporated", Supplier Part Number=C460606, Temperature Coefficient="20.0 ppm/°C", Manufacture Part Number=LM4040B50FTA, Supplier=LCSC
U7: library part CMP-uwgrh96kdeedshkgggct-4, "Darlington transistor array driver", Manufacture Part Number=ULN2001D, Manufacturer=Mixic, Supplier Part Number=C108905, CustomComponentID=uwgrh96kdeedshkgggct, Supplier=LCSC
U8: library part CMP-13615009-4, "High-Voltage, High-Current Operational Amplifier, Excellent Output Swing, 8 to 60 V, -40 to 85 degC, 7-pin FM (KVT7), Green (RoHS & no Sb/Br)", Manufacturer="Texas Instruments", Supplier Part Number=C138712, Supply Voltage (DC)="60.0 V", Bandwidth="1000000.0 Hz", Gain Bandwidth Product="1000000.0 Hz", Input Offset Drift="3e-05 V/K", Lead-Free Status="Lead Free", Lifecycle Status=Active, Manufacture Part Number=OPA548T, Mounting Style="Through Hole", Number of Channels=1, Number of Circuits=1, Number of Pins=7, OctopartID=076ece6249b8d8a9, Octopart URL=https://octopart.com/opa548t-texas+instruments-420784, Packaging=Bulk, REACH SVHC Compliance="No SVHC", RoHS=Compliant, Slew Rate="10.0 V/µs", Supplier=LCSC
U9: library part CMP-793bb472c98da6fc-1, "Conv DC-DC 4.5V to 28V Synchronous Step Down Single-Out -0.1V to 28V 2A 6-Pin TSOT-23 T/R", Manufacturer="Texas Instruments", Supplier Part Number=C191884, Manufacture Part Number=TPS54202DDCR, Supplier=LCSC
U10: library part LM337LZ/NOPB, "3-Terminal Adjustable Regulator, 3-pin TO-92, Pb-Free", Case/Package=SOIC, Current Rating="1.0 A", Dropout Voltage="0.003 V", Manufacturer="Texas Instruments", Output Current="0.1 A", Supplier Part Number=C33082, Lead-Free Status="Lead Free", Lifecycle Status=Active, Manufacture Part Number=LM337LZ/NOPB, Mounting Style="Through Hole", Number of Outputs=1, Number of Pins=3, Number of Regulated Outputs=1, OctopartID=cd28055848e712ef, Octopart URL=https://octopart.com/lm337lz%2Fnopb-texas+instruments-24813737, Packaging=Box, REACH SVHC Compliance="No SVHC", RoHS=Compliant, Supplier=LCSC
VR1: library part CMP-7537bc3cde65aaf0-3, "Trimmer; Cermet; Rest 500 Ohms; PCB; 25 Turns; Pwr-Rtg 0.5W", Manufacture Part Number=3296W-1-501, Manufacturer="BOCHEN(Chengdu Guosheng Tech)", Supplier Part Number=C118913, Temperature Coefficient="-100 ppm/°C to 100 ppm/°C", Voltage Rating (DC) 300v="300 V", Resistance=500, Supplier=LCSC
VR2 VR3: library part CMP-a8df61d7bf077718-3, "Res Cermet Trimmer 2K Ohm 10% 1/2W 25(Elec)Turn 2.19mm (9.53 X 4.83 X 11.55mm) Pin Thru-Hole Tube", Manufacture Part Number=3296W-1-202, Manufacturer="BOCHEN(Chengdu Guosheng Tech)", Power Rating="500 mW", Supplier Part Number=C118206, Resistance=2k, Size-Height="10.0 mm", Supplier=LCSC
X1: library part CMP-4bca809c9193940d-1, "Microprocessor, Crystal; 8 MHz; 30 ppm (Typ.) @ degC; 7 pF (Max.); 20 pF", Equivalent Series Resistance (ESR)="80.0 O", Manufacture Part Number=X49SD8MSD2SC, Manufacturer="Yangxing Tech", Supplier Part Number=C21263, Mounting Style="Through Hole", Number of Pins=2, OctopartID=4bca809c9193940d, Octopart URL=http://octopart.com/xt9s20ana8m-vishay+dale-39649087, Packaging=Bulk, Seller Landing  Url=https://octopart-clicks.com/click/track?country=US&ak=8157f166&sig=0e2aaf1&sid=2402&ppid=39649087&vpid=249355928&ct=offers, Supplier=LCSC

## Free pads (board coordinates)
  round 1.524 hole 3: 1(0,-75) 1(0,0) 2(94,-75) 2(94,0)

## Via types
v1: diameter 0.6, hole 0.3, Top Layer to Bottom Layer, 153 vias
v2: diameter 0.8, hole 0.4, Top Layer to Bottom Layer, 62 vias
v3: diameter 1, hole 0.5, Top Layer to Bottom Layer, 27 vias
v4: diameter 0.6, hole 0.3, Top Layer to Bottom Layer, tented both sides, 7 vias
v5: diameter 0.8, hole 0.4, Top Layer to Bottom Layer, tented both sides, 7 vias

## Nets (pads, with @x,y where several pads share a name; then routed paths per layer and width w, separated by ;. In a path a pad name is that pad's centre, name@x,y a point inside that pad or via, vN(x,y) a via of type N, cw(c..) or ccw(c..) an arc to the next point about the centre after c; other vN are vias at no path point)
+5V: C17.2 C19.2 C32_L1.2 C32_L2.2 C32_L3.2 IC3_L1.8 IC3_L2.8 IC3_L3.8 J12.1 Q3_L1.5 Q3_L2.5 Q3_L3.5 U2.3 U3.3 | length 228.4
  Top Layer w0.508: v1(12.217,-38.354) 12.217,-37.655 12.306,-37.567 IC3_L3.8@12.663,-37.567 ; v1(19.736,-33.299) 19.939,-33.503 19.939,-33.945 20.041,-34.046 Q3_L3.5@20.295,-34.046 ; v1(26.391,-39.091) 32.69,-39.091 v1(39.751,-46.152) ; IC3_L2.8@46.507,-45.999 v1(48.311,-45.999) ; v1(54.737,-32.69) 54.747,-32.7 Q3_L2.5@55.804,-32.7 ; v1(62.281,-48.031) v1(62.281,-33.985) ; v1(63.449,-84.811) 63.474,-84.811 63.504,-84.78 65.093,-84.78 U2.3@65.139,-84.734 ; v4(67.704,-48.019) 67.716,-48.006 67.716,-32.639 v1(73.711,-26.645) ; IC3_L1.8@79.897,-27.762 v1(81.763,-27.762) ; v1(87.554,-27.127) 87.554,-27.102 87.833,-26.823 87.833,-26.325 87.935,-26.223 Q3_L1.5@88.189,-26.223
  Top Layer w0.762: v3(79.35,-64.567) 79.389,-64.527 89.611,-64.527 J12.1@92.71,-61.428
  Bottom Layer w0.508: v1(12.217,-38.354) 12.235,-38.336 12.563,-38.336 15.063,-35.837 17.199,-35.837 ; v1(19.736,-33.299) 17.199,-35.837 ; v1(26.391,-39.091) 26.373,-39.108 25.992,-39.108 25.984,-39.116 22.377,-39.116 19.098,-35.837 17.199,-35.837 ; v1(39.751,-46.152) 48.134,-46.152 48.286,-45.999 v1(48.311,-45.999) ; C32_L2.2@48.997,-44.82 48.947,-44.82 48.328,-45.438 48.328,-45.982 v1(48.311,-45.999) ; v1(54.737,-32.69) 60.985,-32.69 v1(62.281,-33.985) ; v1(63.449,-84.811) 63.455,-84.805 67.559,-84.805 C17.2@67.564,-84.8 73.468,-84.8 79.68,-78.588 79.68,-64.897 v3(79.35,-64.567) 79.216,-64.567 78.785,-64.135 76.962,-64.135 76.933,-64.106 C19.2@76.573,-64.106 ; v1(73.711,-26.645) 73.762,-26.594 77.292,-26.594 78.461,-27.762 v1(81.763,-27.762) ; C32_L1.2@82.347,-26.357 82.297,-26.357 82.101,-26.553 82.101,-27.399 81.763,-27.737 v1(81.763,-27.762) ; v1(87.554,-27.127) 82.422,-27.127 81.787,-27.762 v1(81.763,-27.762) ; J12.1@92.71,-61.428 95.656,-58.482 95.656,-54.737 94.132,-53.213 80.543,-53.213 75.349,-48.019 v4(67.704,-48.019) 67.691,-48.031 v1(62.281,-48.031) 50.343,-48.031 v1(48.311,-45.999)
+12V: C2.2 C3.1 C22.2 C23.2 C35.2 C36.2 C37.2 IC1.2 IC1.3 IC2.8 J12.2 K1.4 K2.4 K3.4 L1.1 R15.2 U7.5 U8.4 | length 267.8
  Top Layer w0.254: C3.1@10.838,-67.905 10.888,-67.905 11.563,-67.23 11.84,-67.23 12.003,-67.067 IC1.3@12.003,-66.191
  Top Layer w0.508: U7.5@45.669,-55.881 U7.5@45.669,-55.106 45.669,-52.832 v4(45.695,-52.807)
  Top Layer w1.27: K3.4@3.695,-36.479 3.455,-36.479 0.025,-39.908 0.025,-61.987 4.261,-66.223 4.261,-66.948 4.601,-67.288 L1.1@5.326,-67.288 ; U8.4@86.636,-16.75 U8.4@86.682,-16.796
  Top Layer w3.048: 61.366,-22.784 v2(61.366,-20.625) v2(61.366,-18.11) 61.366,-12.37 63.805,-9.931 73.406,-9.931 75.336,-8.001 83.744,-8.001 v1@85.814,-10.071 ; 64.973,-31.14 64.973,-49.403 66.345,-50.775 71.145,-50.775 v5@71.222,-50.698
  Bottom Layer w0.635: C37.2@85.812,-18.821 85.945,-18.689 85.945,-17.794 86.682,-17.057 U8.4@86.682,-16.796
  Bottom Layer w1.27: 64.973,-36.678 65.35,-36.301 K1.4@70.954,-36.301
  Bottom Layer w3.048: 5.385,-67.793 v2(5.385,-68.91) 5.385,-73.424 6.18,-74.219 14.986,-74.219 21.488,-67.716 21.488,-56.929 24.366,-54.051 33.699,-54.051 37.306,-50.444 ; 61.366,-16.027 v2(61.366,-18.11) v2(61.366,-20.625) v2(61.366,-23.241) 61.366,-25.756 64.973,-29.362 64.973,-36.678
  Bottom Layer w4.572: 37.306,-50.444 35.484,-48.623 35.484,-33.96 37.871,-31.572 v2@39.954,-31.572 ; 37.864,-51.003 73.482,-51.003 78.907,-56.428 J12.2@92.71,-56.428
  other v1: 85.776,-11.151 86.69,-10.77 84.938,-10.693 85.979,-10.211 84.277,-10.033 86.868,-9.804 85.293,-9.576 83.642,-9.373 84.709,-9.042 86.157,-9.042
  other v2: 4.394,-73.177 5.486,-73.127 6.528,-73.127 4.343,-71.958 5.436,-71.907 6.477,-71.907 4.293,-68.961 6.426,-68.91 65.024,-37.084 64.16,-35.865 65.888,-35.865 65.024,-34.569 64.16,-33.35 65.888,-33.35 38.43,-32.817 39.7,-32.817 37.059,-32.791 41.072,-32.791 65.049,-32.004 38.405,-31.699 39.675,-31.699 37.033,-31.674 41.046,-31.674 38.379,-30.531 39.649,-30.531 37.008,-30.505 41.021,-30.505 60.503,-22.022 62.23,-22.022 60.503,-19.406 62.23,-19.406 60.503,-16.891 62.23,-16.891 61.392,-15.545
  other v5: 67.437,-51.816 69.952,-51.816 68.656,-50.952 71.171,-50.952 66.091,-50.927 67.437,-50.089 69.952,-50.089
+24V: C1.1 C4.2 C5.2 C30.2 C31.2 C44.2 C45.2 D1.2 IC4.8 IC5.8 J13.3 R1.2 U9.3 | length 155
  Top Layer w0.508: v1(0.152,-33.858) 0.152,-14.453 -1.295,-13.005 -1.295,-6.325 2.997,-2.032 3.023,-2.032 6.02,0.965 14.478,0.965 ; IC5.8@14.478,-1.346 14.478,0.965 ; IC4.8@20.269,-1.295 20.269,0.635 19.939,0.965 14.478,0.965
  Bottom Layer w0.508: v1(14.402,-1.295) 14.402,-2.428 15.657,-3.684 C45.2@15.657,-3.734 ; v1(20.32,-1.346) 20.32,-2.505 21.601,-3.785 C44.2@21.601,-3.835
  Bottom Layer w0.635: J13.3@3.353,-91.643 3.429,-91.567 3.429,-79.578 2.921,-79.07 2.921,-73.558 0.737,-71.374 0.737,-53.01 v2(4.572,-49.174)
  Bottom Layer w2.54: v1(0.152,-33.858) 0.189,-33.858 v1@0.229,-33.898 ; 10.516,-48.463 7.112,-48.463 3.404,-48.463 0.864,-45.923 0.229,-45.288 v1@0.229,-33.898 ; 16.739,-21.463 16.789,-21.514 16.789,-22.098 16.789,-24.536 16.789,-24.663 9.042,-32.41 1.716,-32.41 v1@0.229,-33.898
  other v2: 8.357,-49.225 9.754,-49.225 5.842,-49.2 7.112,-49.2 8.357,-48.133 9.754,-48.133 5.842,-48.108 7.112,-48.108 4.572,-48.082 16.281,-24.562 17.45,-24.536 16.256,-23.444 17.424,-23.419 17.424,-22.073 16.154,-22.047 16.231,-21.031 17.399,-20.98
-1.2V: C41.2 C44.1 C45.1 IC4.4 IC5.4 R44.1 U10.2 | length 42.5
  Top Layer w0.508: U10.2@1.041,-10.135 1.067,-10.109 v1(3.505,-10.109) 3.531,-10.084 7.137,-10.084 9.5,-7.722 12.294,-7.722 13.208,-6.807 13.208,-5.334 14.148,-4.394 17.704,-4.394 ; U10.2@1.219,-10.058 U10.2@1.245,-10.084 ; IC5.4@18.313,-6.096 18.313,-5.08 17.704,-4.47 17.704,-4.394 ; IC4.4@24.155,-6.375 24.155,-5.385 23.164,-4.394 17.704,-4.394
  Top Layer w0.762: U10.2@1.245,-10.084 v1@3.531,-10.084
  Bottom Layer w0.508: U10.2@1.041,-10.135 1.047,-10.14 R44.1@3.5,-10.14 ; C41.2@3.269,-8.136 3.465,-8.332 C41.2@3.465,-8.382 ; C41.2@3.429,-8.509 3.485,-8.565 3.485,-10.125 R44.1@3.5,-10.14 ; R44.1@3.505,-10.145 R44.1@3.5,-10.14 ; R44.1@3.556,-10.109 3.525,-10.14 R44.1@3.5,-10.14 ; C45.1@17.007,-3.734 17.007,-3.784 18.296,-5.072 18.296,-6.104 v1(18.313,-6.121) ; C44.1@22.951,-3.835 22.951,-3.885 24.13,-5.065 v1(24.13,-6.375)
-12V: C37.1 C38.2 C39.2 C40.2 J11.2 R20.1 U8.3 U8.5 U10.3 | length 151.7
  Bottom Layer w0.508: U10.3@1.016,-8.814 1.016,-4.42 6.807,1.372 88.595,1.372 95.682,-5.715 95.682,-22.52 94.128,-24.074
  Bottom Layer w2.54: 87.401,-23.47 87.401,-23.419 91.154,-23.419 91.184,-23.449 92.611,-23.449 92.615,-23.444 94.128,-23.444 94.128,-24.074 94.128,-28.656 92.583,-30.201 J11.2@92.583,-44.363